# Altium PCB sombreakout.PcbDoc (part 3 of 3) (continued)
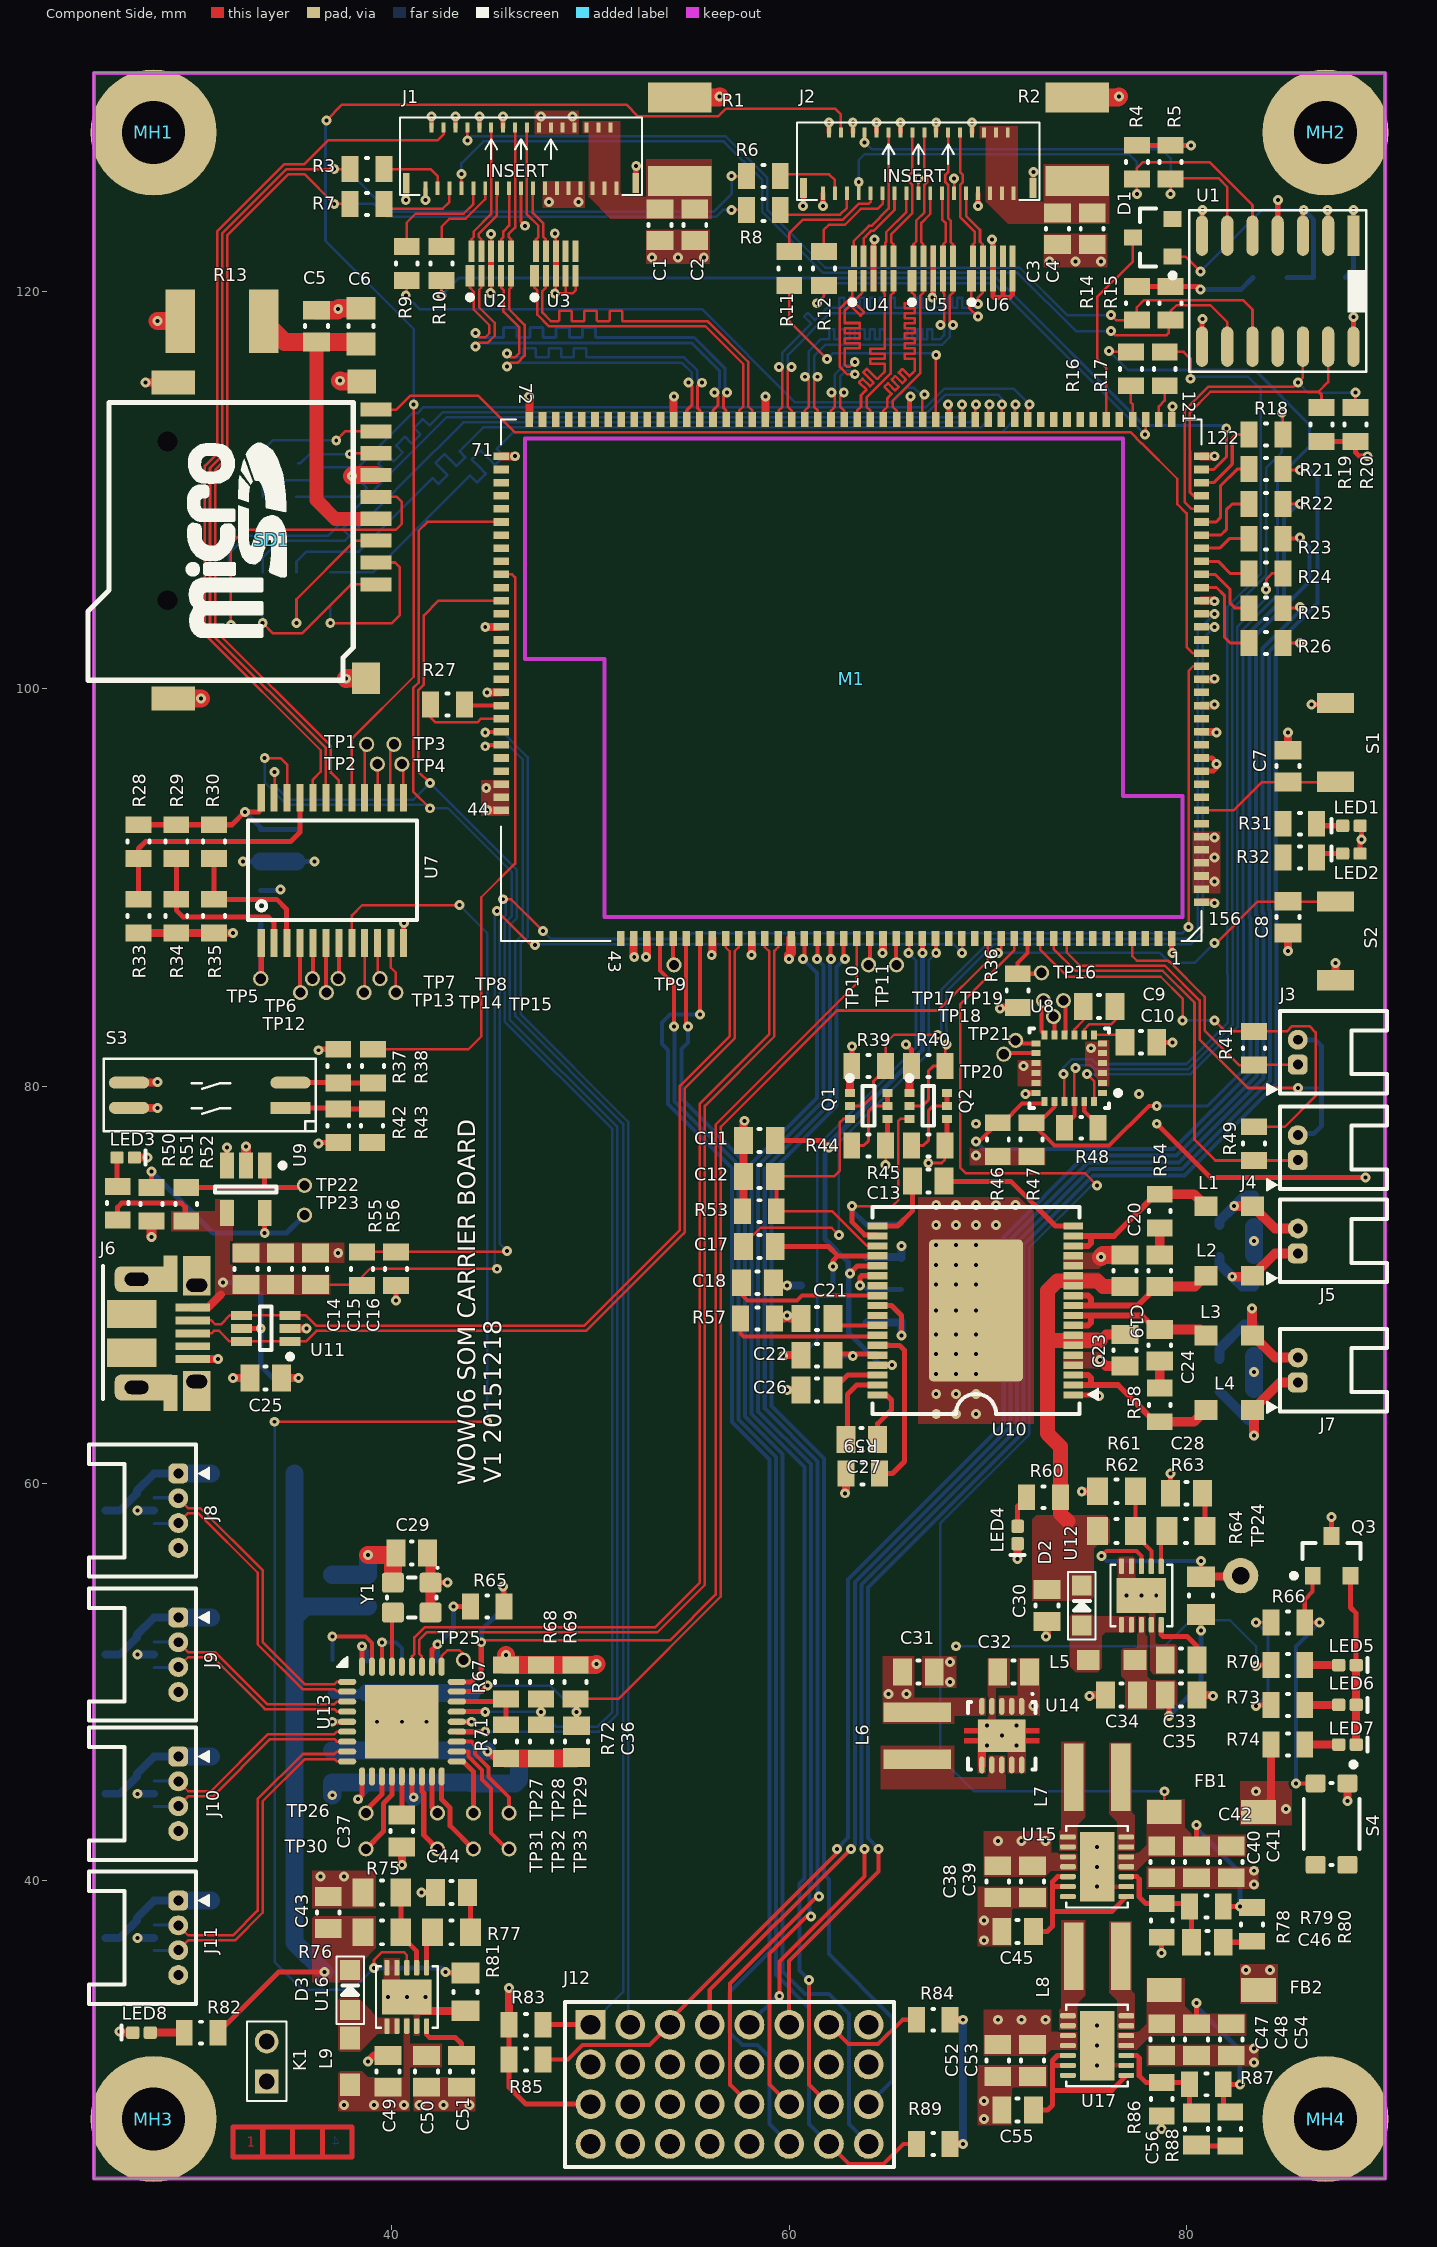
[diagram p0: Component Side view]
## Nets (pads, with @x,y where several pads share a name; then routed paths per layer and width w, separated by ;. In a path a pad name is that pad's centre, name@x,y a point inside that pad or via, vN(x,y) a via of type N, cw(c..) or ccw(c..) an arc to the next point about the centre after c; other vN are vias at no path point) (continued)
SDC2_CLK: M1.105 R96.2 | length 41.9
  Component Side w0.127: v1(68.7,114.3) 68.7,113.553 M1.105@68.703,113.55
  Solder Side w0.127: R96.2@31.8,105.85 31.8,106.8 32.708,107.708 36.8,107.708 42.754,113.662 68.462,113.662 68.7,113.9 v1(68.7,114.3)
SDC2_CMD: M1.107 R94.2 | length 42.4
  Component Side w0.127: M1.107@70.023,113.55 70.023,114.25 v1(70.073,114.3)
  Solder Side w0.127: R94.2@35.2,105.85 35.2,106.4 35.7,106.9 38.346,106.9 41.923,110.477 42.029,110.583 cw(c42.051,110.561) 42.074,110.583 42.332,110.325 ccw(c42.355,110.347) 42.377,110.325 42.781,110.729 ccw(c42.759,110.751) 42.781,110.774 42.5,111.054 42.22,111.335 cw(c42.242,111.358) 42.22,111.38 42.624,111.784 cw(c42.646,111.762) 42.669,111.784 42.949,111.503 43.23,111.223 ccw(c43.253,111.245) 43.275,111.223 43.679,111.627 ccw(c43.657,111.649) 43.679,111.672 43.421,111.93 cw(c43.443,111.952) 43.421,111.975 43.623,112.177 44.6,113.154 69.654,113.154 70.073,113.573 v1(70.073,114.3)
SDC2_D0: M1.108 R91.2 | length 42.4
  Component Side w0.127: M1.108@70.683,113.55 70.7,113.567 v1(70.7,114.3)
  Solder Side w0.127: R91.2@35.2,109.65 38.3,109.65 38.727,110.077 ccw(c38.704,110.099) 38.727,110.122 38.436,110.413 cw(c38.458,110.435) 38.436,110.458 38.84,110.862 cw(c38.862,110.839) 38.885,110.862 39.176,110.571 ccw(c39.198,110.593) 39.221,110.571 39.625,110.975 ccw(c39.603,110.997) 39.625,111.02 39.334,111.311 cw(c39.356,111.333) 39.334,111.356 39.738,111.76 cw(c39.76,111.737) 39.783,111.76 40.074,111.469 ccw(c40.096,111.491) 40.119,111.469 40.523,111.873 ccw(c40.501,111.895) 40.523,111.918 40.232,112.209 cw(c40.254,112.231) 40.232,112.254 40.636,112.658 cw(c40.658,112.636) 40.681,112.658 40.972,112.367 ccw(c40.994,112.389) 41.017,112.367 41.421,112.771 ccw(c41.399,112.793) 41.421,112.816 41.13,113.107 cw(c41.152,113.129) 41.13,113.152 41.534,113.556 cw(c41.557,113.534) 41.579,113.556 41.87,113.265 ccw(c41.892,113.287) 41.915,113.265 42.341,113.691 42.566,113.916 66.993,113.916 67.877,114.8 70.5,114.8 70.7,114.6 v1(70.7,114.3)
SDC2_D1: M1.110 R92.2 | length 42.4
  Component Side w0.127: M1.110@72.003,113.55 72.003,114.297 72.006,114.3 v1(72.1,114.3)
  Solder Side w0.127: R92.2@33.5,109.65 33.5,110.2 33.8,110.5 35.9,110.5 36.541,111.141 38.3,111.141 41.019,113.86 41.282,113.86 41.593,114.17 66.888,114.17 67.818,115.1 71.3,115.1 v1(72.1,114.3)
SDC2_D2: M1.106 R95.2 | length 41.9
  Component Side w0.127: M1.106@69.363,113.55 69.363,114.263 v1(69.4,114.3)
  Solder Side w0.127: R95.2@33.5,105.85 33.5,106.6 34.354,107.454 37.646,107.454 37.848,107.656 ccw(c37.826,107.679) 37.848,107.701 37.534,108.015 cw(c37.556,108.038) 37.534,108.06 37.938,108.464 cw(c37.96,108.442) 37.983,108.464 38.297,108.15 ccw(c38.32,108.172) 38.342,108.15 38.396,108.204 39.546,109.354 40.846,110.654 43.6,113.408 69.108,113.408 69.4,113.7 v1(69.4,114.3)
SDC2_D3: M1.109 R93.2 | length 42.1
  Component Side w0.127: M1.109@71.343,113.55 71.343,114.243 v1(71.4,114.3)
  Solder Side w0.127: R93.2@36.9,105.85 39.05,105.85 43.8,110.6 43.906,110.706 cw(c43.928,110.684) 43.951,110.706 44.265,110.392 ccw(c44.288,110.414) 44.31,110.392 44.714,110.796 ccw(c44.692,110.818) 44.714,110.841 44.377,111.177 44.041,111.514 cw(c44.063,111.537) 44.041,111.559 44.445,111.963 cw(c44.467,111.941) 44.49,111.963 44.826,111.626 45.163,111.29 ccw(c45.186,111.312) 45.208,111.29 45.612,111.694 ccw(c45.59,111.716) 45.612,111.739 45.298,112.053 cw(c45.32,112.075) 45.298,112.098 45.5,112.3 46.1,112.9 70.7,112.9 71.4,113.6 v1(71.4,114.3)
SOM_IMU_CS2#: R43.2
SOM_MIC1: J4.1 M1.10 R49.2 | length 21.3
  Component Side w0.127: M1.10@73.306,87.43 73.306,86.894 74.4,85.8 78.8,85.8 80.4,84.2 80.4,77.3 81.45,76.25 R49.2@83.4,76.25 85.573,76.25 J4.1@85.6,76.277
SOM_MIC1_BIAS: M1.11 R41.1 R49.1 | length 24
  Component Side w0.127: M1.11@72.646,87.43 72.646,86.854 74,85.5 78.7,85.5 79.8,84.4 v1(79.8,83.3) ; v1(81.4,83.3) 81.95,82.75 R41.1@83.4,82.75 85.046,82.75 85.314,83.018 86.182,83.018 86.5,82.7 86.5,79.5 84.95,77.95 R49.1@83.4,77.95
  Solder Side w0.127: v1(79.8,83.3) v1(81.4,83.3)
SOM_MIC2: J3.1 M1.4 R41.2 | length 12.5
  Component Side w0.127: M1.4@77.269,87.43 77.269,86.531 77.492,86.308 79.069,86.308 79.118,86.259 79.141,86.259 80.908,84.492 80.908,82.792 82.65,81.05 R41.2@83.4,81.05 83.427,81.077 J3.1@85.6,81.077
SOM_MIC_RTN: J3.2 J4.2 M1.9 | length 24.2
  Component Side w0.127: M1.9@73.967,87.43 73.967,86.733 74.646,86.054 78.905,86.054 80.654,84.305 80.654,82.346 83.1,79.9 v1(85.6,79.9)
  Solder Side w0.127: v1(85.6,79.9) 86.8,79.9
  Solder Side w0.254: J4.2@85.6,77.577 85.623,77.6 86.4,77.6 86.8,78 86.8,79.9 86.8,82 86.473,82.327 J3.2@85.6,82.327
SOM_ON#: C8.2 M1.14 S2.1 | length 19.3
  Component Side w0.127: v1(70.5,86.7) 70.665,86.865 M1.14@70.665,87.43 ; v1(81.4,87.2) 81.5,87.2 83.581,89.281 C8.2@85.119,89.281 ; C8.2@85.1,89.3 C8.2@85.119,89.281 ; S2.1@87.5,89.281 C8.2@85.119,89.281
  Solder Side w0.127: v1(70.5,86.7) 78.659,86.7 79.159,86.2 80.4,86.2 v1(81.4,87.2)
SOM_RST#: C7.2 M1.149 S1.1 | length 7.2
  Component Side w0.127: M1.149@80.75,93.87 82.37,93.87 83.8,95.3 C7.2@85.1,95.3 S1.1@87.4,95.3
USB_D1_N: J8.2 U13.1 U18.1 | length 15.7
  Component Side w0.127: J8.2@29.25,59.25 29.748,58.752 30.355,58.752 33.504,55.603 33.504,51.996 35.608,49.892 37.115,49.892 37.229,50.007 U13.1@37.75,50.007
  Solder Side w0.152: U18.1@28.025,59.275 J8.2@29.225,59.275
USB_D1_P: J8.3 U13.2 U18.3 | length 15.7
  Component Side w0.127: J8.3@29.25,58 29.748,58.498 30.25,58.498 33.25,55.498 33.25,51.891 35.502,49.638 37.115,49.638 37.229,49.524 U13.2@37.75,49.524
  Solder Side w0.152: U18.3@28.025,57.975 J8.3@29.225,57.975
USB_D2_N: J9.2 U13.3 U19.1 | length 11
  Component Side w0.127: J9.2@29.25,52 29.748,51.502 31.105,51.502 33.718,48.889 37.102,48.889 37.229,49.016 U13.3@37.75,49.016
  Solder Side w0.152: U19.1@28.025,52.025 J9.2@29.225,52.025
USB_D2_P: J9.3 U13.4 U19.3 | length 11
  Component Side w0.127: J9.3@29.25,50.75 29.748,51.248 31,51.248 33.613,48.635 37.102,48.635 37.229,48.508 U13.4@37.75,48.508
  Solder Side w0.152: U19.3@28.025,50.725 J9.3@29.225,50.725
USB_D3_N: J10.2 U13.6 U20.1 | length 11.1
  Component Side w0.127: J10.2@29.25,45 29.75,44.5 30.891,44.5 33.768,47.377 37.106,47.377 37.229,47.5 U13.6@37.75,47.5
  Solder Side w0.152: U20.1@28.025,45.025 J10.2@29.225,45.025
USB_D3_P: J10.3 U13.7 U20.3 | length 11.1
  Component Side w0.127: J10.3@29.25,43.75 29.746,44.246 30.996,44.246 33.873,47.123 37.106,47.123 37.229,47 U13.7@37.75,47
  Solder Side w0.152: U20.3@28.025,43.725 J10.3@29.225,43.725
USB_D4_N: J11.2 U13.8 U21.1 | length 17
  Component Side w0.127: J11.2@29.25,37.75 29.75,37.25 32,37.25 33.246,38.496 33.246,44.105 35.518,46.377 37.106,46.377 37.229,46.5 U13.8@37.75,46.5
  Solder Side w0.152: U21.1@28.025,37.775 J11.2@29.225,37.775
USB_D4_P: J11.3 U13.9 U21.3 | length 17
  Component Side w0.127: J11.3@29.25,36.5 29.746,36.996 32.105,36.996 33.5,38.391 33.5,44 35.623,46.123 37.106,46.123 37.229,46 U13.9@37.75,46
  Solder Side w0.152: U21.3@28.025,36.475 J11.3@29.225,36.475
USB_HOST_D_N: M1.31 U13.30 | length 51
  Component Side w0.127: U13.30@41.516,50.769 41.516,51.289 41.389,51.416 41.389,52.139 41.75,52.5 53.359,52.5 55.754,54.895 55.754,79.004 59.254,82.504 59.254,86.801 59.438,86.985 M1.31@59.438,87.43
USB_HOST_D_P: M1.32 U13.31 | length 51
  Component Side w0.127: U13.31@41.008,50.769 41.008,51.289 41.135,51.416 41.135,52.244 41.645,52.754 53.254,52.754 55.5,55 55.5,79.109 59,82.609 59,86.763 58.778,86.985 M1.32@58.778,87.43
USB_HOST_SW: M1.25 R65.2 U13.27 | length 56
  Component Side w0.127: v1(44.5,52) 44.6,52.1 54,52.1 56.3,54.4 56.3,78.05 63.4,85.15 M1.25@63.4,87.43
  Component Side w0.254: U13.27@43.269,50.007 44.007,50.007 44.5,50.5 v1(44.5,52) ; v1(45.6,54.8) 45.65,54.75 R65.2@45.65,53.8
  Solder Side w0.254: v1(44.5,52) 44.5,52.6 45.6,53.7 v1(45.6,54.8)
USB_HS_ID: M1.138 R55.2 R56.2 | length 74.6
  Component Side w0.127: R55.2@38.5,71.65 R56.2@40.2,71.65 45.75,71.65 v1(45.8,71.7) ; v1(45.6,89.4) 46,89.4 v1(47.6,87.8) ; v1(80.1,88) 80.1,100.9 80.33,101.13 M1.138@80.75,101.13
  Solder Side w0.127: v1(45.6,89.4) 45.741,89.259 45.741,88.618 45.421,88.298 45.421,72.079 v1(45.8,71.7) ; v1(47.6,87.8) 48,87.4 54.8,87.4 55.1,87.7 79.8,87.7 v1(80.1,88)
USB_HUB_RST#: C36.2 M1.15 R69.1 U13.26 | length 58.5
  Component Side w0.127: R69.1@49.25,49.15 51.409,49.15 56.554,54.295 56.554,77.945 62.409,83.8 67.5,83.8 70.004,86.304 M1.15@70.004,87.43
  Component Side w0.254: U13.26@43.269,49.524 44.516,49.524 v1(44.811,49.819) ; C36.2@49.3,47.8 v1(49.3,48.5)
  Solder Side w0.127: v1(44.811,49.819) 44.82,49.809 47.991,49.809 v1(49.3,48.5)
USB_OTG_D_N: J6.2 M1.35 U11.3 U11.4 | length 42.8
  Component Side w0.127: J6.2@29.975,68.2 30.913,68.2 31.111,68.002 31.388,68.002 31.836,68.45 U11.4@32.425,68.45 U11.3@34.875,68.45 35.673,68.45 36.196,67.927 49.677,67.927 54.5,72.75 54.5,80 57,82.5 57,86.782 56.796,86.985 M1.35@56.796,87.43
USB_OTG_D_P: J6.3 M1.34 U11.1 U11.6 | length 43.2
  Component Side w0.127: J6.3@29.975,67.55 30.913,67.55 31.037,67.674 31.313,67.674 31.836,67.15 U11.6@32.425,67.15 U11.1@34.875,67.15 35.673,67.15 36.196,67.673 49.782,67.673 54.68,72.57 54.754,72.645 54.754,79.895 57.254,82.395 57.254,86.783 57.457,86.985 M1.34@57.457,87.43
USBH_5V: C14.1 C15.2 C16.1 C25.1 J6.1 M1.17 R50.1 R52.1 R55.1 U9.4 U11.5 | length 69.3
  Component Side w0.127: C16.1@36.15,70 R55.1@38.5,70 ; R55.1@38.5,69.95 R55.1@38.5,70 ; v1(45.3,70.8) 38.9,70.8 38.5,70.4 R55.1@38.5,70 ; v1(45.3,88.8) 47,87.1 v1(47.2,87.1) ; M1.17@68.684,87.43 68.7,87.414 v1(68.7,86.7)
  Component Side w0.254: R50.1@26.2,73.25 26.2,73.9 26.4,74.1 29.4,74.1 29.6,73.9 29.6,73.25 R52.1@29.65,73.2 ; U11.5@32.425,67.8 v1(33.4,67.8)
  Component Side w0.4: J6.1@29.975,68.85 30.75,68.85 31.4,69.5 ; C25.1@34.45,65.3 v1(35.3,65.3)
  Solder Side w0.127: v1(45.3,70.8) 45.167,70.933 45.167,88.667 v1(45.3,88.8) ; v1(47.2,87.1) 47.24,87.14 68.26,87.14 v1(68.7,86.7)
  Solder Side w0.254: v1(31.5,70.1) 32.8,70.1 33.4,69.5 v1(33.4,67.8) 33.4,65.9 34,65.3 v1(35.3,65.3)
VBAT_THERM: M1.22 TP11.1 | length 1.3
  Component Side w0.203: M1.22@65.382,87.43 65.382,86.118 TP11.1@65.4,86.1
VBATT: C32.2 C34.1 C35.2 C38.2 C39.2 C49.1 C50.2 C52.2 C53.2 J12.4 J12.8 J12.12 J12.16 J12.20 K1.1 L5.1 L9.1 R64.2 U9.3 U12.8 U14.1 U14.2 U14.3 U15.10 U15.11 U16.8 U17.10 U17.11 | length 7.8
  Component Side w0.254: U9.3@31.7,76 v1(31.7,76.9) ; C35.2@78.925,49.35 79.125,49.15 v1(79.125,48.3) ; v1(80.725,52.6) R64.2@80.725,53.4
  Solder Side w0.254: v1(79.125,48.3) 80.725,49.9 v1(80.725,52.6)
  other v1: 37.6,28.7 39.1,28.7 40.6,28.7 70.5,33 71.7,33 72.9,33 70.5,42 71.7,42 72.9,42 72.3,48.8
VBATT_ID: M1.24 TP10.1 | length 1.4
  Component Side w0.203: TP10.1@64,86.1 64.061,86.161 M1.24@64.061,87.43
VPH_PWR: FB1.2 M1.151 M1.152 M1.153 M1.154 M1.155 R1.2 R2.2 R74.1 | length 8.5
  Component Side w0.127: M1.151@80.75,92.55 81.35,92.55 v1(81.4,92.5)
  Component Side w0.4: FB1.2@83.625,43.45 84.25,44.075 R74.1@84.25,46.85
  Component Side w0.914: R1.2@54.5,129.75 56.45,129.75 v1(56.5,129.8) ; R2.2@74.5,129.75 76.55,129.75 v1(76.6,129.8)
  other v1: 85,43.6 83.5,44.5 81.4,90.3 81.4,91.5
VPH_RAW: C40.2 C41.2 C42.2 FB1.1 M1.13 R79.2 R80.2 U15.4 U15.5 | length 72.8
  Component Side w0.127: M1.13@71.325,87.43 71.325,86.825 68.6,84.1 68.6,75.9 68.9,75.6 74.9,75.6 v1(75.5,75) ; FB1.1@78.875,43.45 78.875,44.475 v1(78.9,44.5)
  Component Side w0.254: C41.2@80.5,41.75 v1(80.5,42.8) ; R79.2@81.85,38.7 v1(82.7,38.7) 82.75,38.65 R80.2@83.3,38.65
  Solder Side w0.127: v1(75.5,75) 75.214,75 72.082,71.868 72.082,62.469 67.6,57.987 67.6,46.2 69.3,44.5 v1(78.9,44.5)
  Solder Side w0.254: v1(80.5,42.8) 80.5,42.6 82.7,40.4 v1(82.7,38.7)
VSPKR: C19.2 C23.2 C30.2 D2.K R60.1 R62.1 U10.6 U10.7 U10.12 U10.13 | length 20.3
  Component Side w0.5: 75.65,67.2 75.95,67.5 C23.2@76.9,67.5
  Component Side w0.75: 74.025,58.1 73.65,58.475 R60.1@73.65,59.3 73.65,61.85 73,62.5 73,67.2 ; 75.65,67.2 73,67.2 ; C19.2@76.9,69.9 75.8,69.9 75.5,70.2 73.5,70.2 73,69.7 73,67.2
pads on no net: D1.2 J6.0 J6.4 M1.2 M1.3 M1.5 M1.6 M1.7 M1.8 M1.16 M1.18 M1.43 M1.47 M1.48 M1.54 M1.55 M1.56 M1.57 M1.61 M1.63 M1.64 M1.65 M1.68 M1.69 M1.70 M1.136 M1.140 M1.142 M1.147 M1.148 M1.150 MH1.1 MH2.1 MH3.1 MH4.1 S4.2 S4.4 U1.11 U3.6 U3.7 U6.6 U6.7 U8.1 U10.25 U10.28 U13.11 U13.32 U15.14 U17.14 U18.4 U18.6 U19.4 U19.6 U20.4 U20.6 U21.4 U21.6
copper on no net: | length 39
  Component Side w0.254: 33.5,26.1 33.5,27.6 ; 33.5,26.1 32,26.1 32,27.6 33.5,27.6 ; 33.5,26.1 35,26.1 ; 33.5,27.6 35,27.6 ; 35,26.1 35,27.6 ; 35,26.1 36.5,26.1 ; 35,27.6 36.5,27.6 ; 36.5,26.1 36.5,27.6 ; 36.5,26.1 38,26.1 38,27.6 36.5,27.6
  Solder Side w0.254: 33.5,26.1 33.5,27.6 ; 33.5,26.1 32,26.1 32,27.6 33.5,27.6 ; 33.5,26.1 35,26.1 ; 33.5,27.6 35,27.6 ; 35,26.1 35,27.6 ; 35,26.1 36.5,26.1 ; 35,27.6 36.5,27.6 ; 36.5,26.1 36.5,27.6 ; 36.5,26.1 38,26.1 38,27.6 36.5,27.6

## Polygon pours and split planes (outlines as drawn)
VPH_PWR on Component Side "VPH_PWR_L01_P122" (solid, pour order 122): 82.7,42.8 85.3,42.8 85.3,45 82.7,45
VBATT on Component Side "VBATT_L01_P058" (solid, pour order 58): 42.5,31.8 40.8,31.8 40.8,30.6 42.5,30.6 42.5,31.8
VBATT on Component Side "VBATT_L01_P056" (solid, pour order 56): 40.9,33.1 40.6,33.1 40.6,30 40.9,30 40.9,33.1
GND on Component Side "GND_L01_P118" (solid, pour order 118): 47.6,125.535 49.7,125.535 49.7,124.2 47.6,124.2
GND on Component Side "GND_L01_P114" (solid, pour order 114): 49.4,127.9 47.2,127.9 47.2,129.1 49.4,129.1
GND on Component Side "GND_L01_P112" (solid, pour order 112): 72.8,122.9 76,122.9 76,121.2 72.8,121.2
GND on Component Side "GND_L01_P110" (solid, pour order 110): 52.8,123.1 56,123.1 56,121.4 52.8,121.4
NetC1_2 on Component Side "NETC1_2_L01_P108" (solid, pour order 108): 56.1,123.65 52.8,123.65 51,123.65 49.9,124.75 49.9,127.95 49.6,127.95 49.6,128.55 49.9,128.55 51.5,128.55 51.5,125.55 51.5,124.95 51.7,124.75 52.8,124.75 52.8,126.65 56.1,126.65 56.1,124.75
NetC3_2 on Component Side "NETC3_2_L01_P106" (solid, pour order 106): 76.1,123.4 72.8,123.4 71,123.4 69.9,124.5 69.9,127.7 69.6,127.7 69.6,128.3 69.9,128.3 71.5,128.3 71.5,125.3 71.5,124.7 71.7,124.5 72.8,124.5 72.8,126.4 76.1,126.4 76.1,124.5
+1.8V on Component Side "+1.8V_L01_P094" (solid, pour order 94): 72.9,76 72.9,76.9 69.1,76.9 69.1,76
+3V3 on Component Side "+3V3_L01_P092" (solid, pour order 92): 72.7,80 72.7,81.3 71.5,81.3 71.5,80 72.2,80
VBATT on Component Side "VBATT_L01_P080" (solid, pour order 80): 73.2,33.5 73.2,32.4 74.5,32.4 74.5,31.5 73.2,31.5 72.9,31.2 69.8,31.2 69.8,33.5
NetL6_1 on Component Side "NETL6_1_L01_P078" (solid, pour order 78): 70.9,46.3 70.9,44.6 64.6,44.6 64.6,46.8 68.3,46.8 68.3,45.2 70,45.2 70,46.3
GND on Component Side "GND_L01_P074" (solid, pour order 74): 66.7,51.3 66.7,49.7 68.4,49.7 68.4,51.3 66.7,51.3
VBATT on Component Side "VBATT_L01_P072" (solid, pour order 72): 71.9,48.3 70.5,48.3 70.5,49.3 71.5,49.3 71.5,51.2 72.6,51.2 72.6,48.3
GND on Component Side "GND_L01_P070" (solid, pour order 70): 71.1,51.2 70,51.2 70,48.1 69.5,48.1 69.5,45.4 69.9,45.4 69.9,46.5 71,46.5 71,45.4 71.9,45.4 71.9,48.1 70.4,48.1 70.4,49.7 71.1,49.7
+1.8V on Component Side "+1.8V_L01_P068" (solid, pour order 68): 64.7,47.9 64.7,51.3 66.3,51.3 66.3,49.2 69.9,49.2 69.9,48.3 68.3,48.3 68.3,47.9
VSPKR on Component Side "VSPKR_L01_P038" (solid, pour order 38): 73.8,66.8 75.6,66.8 75.9,67.1 75.9,67.3 75.7,67.5 75.6,67.6 73.8,67.6 73.8,66.8
GND on Component Side "GND_L01_P036" (solid, pour order 36): 73.8,65.8 75.6,65.8 75.9,66.1 75.9,66.3 75.7,66.5 75.6,66.6 73.8,66.6 73.8,65.8
USBH_5V on Component Side "USBH_5V_L01_P030" (solid, pour order 30): 36.9,69.5 36.9,70.5 32.2,70.5 32,70.5 32,70.7 32,74.3 31.1,74.3 31.1,73.7 28.9,73.7 28.9,72.7 31.1,72.7 31.1,69.5
VBATT on Component Side "VBATT_L01_P026" (solid, pour order 26): 73.2,42.5 73.2,41.4 74.5,41.4 74.5,40.5 73.2,40.5 72.9,40.2 69.8,40.2 69.8,42.5
GND on Component Side "GND_L01_P024" (solid, pour order 24): 73,39.7 73,38.6 71.3,38.6 71.2,38.5 71.2,36.7 69.5,36.7 69.5,39.7 71.3,39.7
GND on Component Side "GND_L01_P022" (solid, pour order 22): 73,30.7 73,29.6 71.3,29.6 71.2,29.5 71.2,27.7 69.5,27.7 69.5,30.7 71.3,30.7
GND on Component Side "GND_L01_P018" (solid, pour order 18): 78,30.65 83.6,30.65 83.6,31.75 78,31.75
GND on Component Side "GND_L01_P016" (solid, pour order 16): 77.3,30.8 75.3,30.8 75.3,30.6 77.3,30.6 77.3,30.8
NetC47_2 on Component Side "NETC47_2_L01_P014" (solid, pour order 14): 76.5,31.5 77.5,31.5 78.2,32.2 83,32.2 83,33.3 80.3,33.3 79.9,33.7 79.9,35.1 78,35.1 78,32.8 77.6,32.4 76.5,32.4
NetL8_1 on Component Side "NETL8_1_L01_P012" (solid, pour order 12): 74.5,32.5 74.5,33.8 74.9,34.2 74.9,38 73.7,38 73.7,33.6 73.6,33.5 73.6,32.5 74.5,32.5
NetL8_2 on Component Side "NETL8_2_L01_P010" (solid, pour order 10): 76.5,32.5 77.4,32.5 77.4,34.3 77.25,34.45 77.25,37.95 76.1,37.95 76.1,34.35 76.5,33.95
VPH_RAW on Component Side "VPH_RAW_L01_P002" (solid, pour order 2): 76.5,40.5 77.5,40.5 78.2,41.2 83,41.2 83,42.3 80.3,42.3 79.9,42.7 79.9,44.1 78,44.1 78,41.8 77.6,41.4 76.5,41.4
NetL7_2 on Component Side "NETL7_2_L01_P000" (solid, pour order 0): 76.5,41.5 77.4,41.5 77.4,43.3 77.25,43.45 77.25,46.95 76.1,46.95 76.1,43.35 76.5,42.95
NetL7_1 on Component Side "NETL7_1_L01_P008" (solid, pour order 8): 74.5,41.5 74.5,42.8 74.9,43.2 74.9,47 73.7,47 73.7,42.6 73.6,42.5 73.6,41.5 74.5,41.5
GND on Component Side "GND_L01_P006" (solid, pour order 6): 78,39.6 83.6,39.6 83.6,40.7 78,40.7
GND on Component Side "GND_L01_P004" (solid, pour order 4): 77.3,39.8 75.3,39.8 75.3,39.6 77.3,39.6 77.3,39.8
VSPKR on Component Side "VSPKR_L01_P044" (solid, pour order 44): 72.225,54.1 75.125,54.1 75.325,54.3 75.325,56.7 75.525,56.9 76.025,56.9 76.125,57 76.125,58.2 75.925,58.4 72.425,58.4 72.225,58.2 72.225,54.2
NetD2_A on Component Side "NETD2_A_L01_P046" (solid, pour order 46): 77.425,53.3 75.325,53.3 75.225,53.4 74.225,53.4 74.125,53.3 74.125,50.8 74.425,50.5 75.525,50.5 75.725,50.7 75.725,52.3 75.925,52.5 77.425,52.5
VBATT on Component Side "VBATT_L01_P048" (solid, pour order 48): 77.925,53.3 77.525,53.3 77.525,51.8 77.425,51.7 76.825,51.7 76.725,51.6 76.725,50.3 76.925,50.1 76.925,48.7 77.025,48.6 79.425,48.6 79.525,48.7 79.525,50 79.425,50.1 78.225,50.1 78.025,50.3 78.025,52.3 77.925,52.4 77.925,53.3
GND on Component Side "GND_L01_P050" (solid, pour order 50): 76.625,56.3 76.525,56.2 76.525,53.6 76.625,53.5 78.025,53.5 78.125,53.4 78.125,52.5 78.125,52.4 78.125,50.6 78.325,50.4 79.425,50.4 79.525,50.5 79.525,51.8 79.425,51.9 78.525,51.9 78.425,52 78.425,53.4 78.525,53.5 78.825,53.5 78.925,53.6 78.925,55.1 78.825,55.2 77.525,55.2 77.425,55.3 77.425,56.2 77.325,56.3
NetD3_A on Component Side "NETD3_A_L01_P052" (solid, pour order 52): 40.4,33.1 39.3,33.1 38.7,33.7 38.3,34.1 37.5,34.1 37.4,34.1 37.3,34 37.3,31.5 37.4,31.4 38.4,31.4 38.5,31.5 39.3,32.3 40.4,32.3 40.4,33.1
VBATT on Component Side "VBATT_L01_P054" (solid, pour order 54): 40.9,30.1 38.8,30.1 38.5,30.4 37.4,30.4 37.3,30.3 37.3,28.4 40.9,28.4
GND on Component Side "GND_L01_P060" (solid, pour order 60): 40.4,36.1 39.6,36.1 39.6,33.3 41.1,33.3 41.1,32.2 41.4,32.2 41.4,33.3 42,33.3 42,35 40.4,35
GND on Component Side "GND_L01_P062" (solid, pour order 62): 44.2,30.1 41.1,30.1 41.1,28.4 44.2,28.4
+5USB on Component Side "+5USB_L01_P064" (solid, pour order 64): 38.5,34.9 38.5,35.9 39.2,36.6 39.2,38.2 36.1,38.2 36,38.1 36,34.9
GND on Component Side "GND_L01_P066" (solid, pour order 66): 39.2,40.5 39.2,38.6 36,38.6 36,40.5
GND on Component Side "GND_L01_P096" (solid, pour order 96): 45,95.4 44.5,95.4 44.5,93.6 45.9,93.6 45.9,95.4
GND on Component Side "GND_L01_P098" (solid, pour order 98): 31.85,71.1 31.848,72.1 37.598,72.1 37.6,71.1
VPH_PWR on Component Side "VPH_PWR_L01_P100" (solid, pour order 100): 80.3,89.7 80.3,92.8 81.7,92.8 81.7,89.7
GND on Component Side "GND_L01_P102" (solid, pour order 102): 74.9,82.3 74.9,80 76.1,80 76.1,82.3
+3V3 on Component Side "+3V3_L01_P120" (solid, pour order 120): 82.7,35.8 82.7,33.8 84.6,33.8 84.6,35.8
VSPKR on Component Side "VSPKR_L01_P124" (solid, pour order 124): 73.8,69.8 75.6,69.8 75.9,70.1 75.9,70.3 75.7,70.5 75.6,70.6 73.8,70.6 73.8,69.8
GND on Component Side "GND_L01_P126" (solid, pour order 126): 73.8,70.8 75.6,70.8 75.9,71.1 75.9,71.3 75.7,71.5 75.6,71.6 73.8,71.6 73.8,70.8
GND on Component Side "GND_L01_P130" (solid, pour order 130): 66.5,74.4 66.5,63 72.3,63 72.3,74.4
+3V3 on Solder Side "+3V3_L04_P088" (solid, pour order 88): 74.1,78.6 74.1,77.6 79,77.6 79,78.6
+1.8V on Solder Side "+1.8V_L04_P086" (solid, pour order 86): 73.9,80.2 70.3,80.2 70.3,79.2 73.9,79.2
GND on Solder Side "GND_L04_P084" (solid, pour order 84): 73.9,78.6 69.1,78.6 69.1,77.6 73.9,77.6
GND on Solder Side "GND_L04_P034" (solid, pour order 34): 38.75,49.75 38.75,46.25 42.25,46.25 42.25,49.75 38.75,49.75
GND on Solder Side "GND_L04_P104" (solid, pour order 104): 74.1,80.2 77.9,80.2 77.9,79.1 74.1,79.1
GND on Ground Plane (split plane): 89.49,130 89.49,25.51 25.51,25.51 25.51,130.49 89.49,130.49
+2V85 on Power Plane (split plane): 30.198,116 30.206,115.961 30.228,115.928 32.328,113.828 32.361,113.806 32.4,113.798 80.898,113.798 80.898,96.7 80.906,96.661 80.928,96.628 80.961,96.606 81,96.598 81.898,96.598 81.898,95.802 80.302,95.802 80.302,103.1 80.302,113 80.294,113.039 80.272,113.072 80.239,113.094 80.2,113.102 30.442,113.102 27.702,115.842 27.702,120.098 30.198,120.098
NetC76_2 on Power Plane (split plane): 44.298,43.802 36.702,43.802 36.702,48.3 36.702,52.398 44.298,52.398
VBATT on Power Plane (split plane): 36.198,76.458 36.198,63.042 34.828,61.672 34.806,61.639 34.798,61.6 34.798,32.6 34.806,32.561 34.828,32.528 34.861,32.506 34.9,32.498 69,32.498 69.039,32.506 69.072,32.528 69.094,32.561 69.102,32.6 69.102,54.958 70.642,56.498 81.798,56.498 81.798,51.942 81.058,51.202 79.8,51.202 78.7,51.202 78.661,51.194 78.628,51.172 78.606,51.139 78.598,51.1 78.598,36.5 78.598,36.483 78.598,30.002 51,30.002 50.961,29.994 50.928,29.972 50.906,29.939 50.898,29.9 50.898,27.7 50.906,27.661 50.928,27.628 50.961,27.606 51,27.598 58.998,27.598 58.998,25.51 25.612,25.51 25.612,77.198 35.458,77.198
VPH_PWR on Power Plane (split plane): 83.498,118.4 83.506,118.361 83.528,118.328 83.561,118.306 83.6,118.298 88.398,118.298 88.398,43.7 88.398,43.102 82.802,43.102 82.802,44.898 86.4,44.898 86.439,44.906 86.472,44.928 86.494,44.961 86.502,45 86.502,89.6 86.494,89.639 86.472,89.672 86.439,89.694 86.4,89.702 80.702,89.702 80.702,92.898 86.7,92.898 86.739,92.906 86.772,92.928 86.794,92.961 86.802,93 86.802,116.7 86.794,116.739 86.772,116.772 86.739,116.794 86.7,116.802 81.902,116.802 81.902,129 81.894,129.039 81.872,129.072 81.839,129.094 81.8,129.102 25.51,129.102 25.51,130.49 83.498,130.49
+1.8V on Power Plane (split plane): 70.898,81.2 70.906,81.161 70.928,81.128 71.828,80.228 73.598,78.458 73.598,76.042 70.528,72.972 70.506,72.939 70.498,72.9 70.498,56.642 68.928,55.072 68.906,55.039 68.898,55 68.898,32.702 35.002,32.702 35.002,61.558 36.372,62.928 36.394,62.961 36.402,63 36.402,76.5 36.394,76.539 36.372,76.572 35.572,77.372 35.539,77.394 35.5,77.402 25.51,77.402 25.51,83.398 36.958,83.398 37.998,82.358 37.998,52.602 36.6,52.602 36.561,52.594 36.528,52.572 36.506,52.539 36.498,52.5 36.498,48.3 36.498,43.7 36.498,35 36.506,34.961 36.528,34.928 36.561,34.906 36.6,34.898 64.6,34.898 64.639,34.906 64.672,34.928 64.694,34.961 64.702,35 64.702,53.058 66.972,55.328 69.072,57.428 69.094,57.461 69.102,57.5 69.102,80.258 70.072,81.228 70.094,81.261 70.102,81.3 70.102,84.398 70.898,84.398
+3V3 on Power Plane (split plane): 89.49,130 89.49,25.51 59.202,25.51 59.202,27.7 59.194,27.739 59.172,27.772 59.139,27.794 59.1,27.802 51.102,27.802 51.102,29.798 78.7,29.798 78.739,29.806 78.772,29.828 78.794,29.861 78.802,29.9 78.802,36.5 78.802,50.998 79.8,50.998 81.1,50.998 81.139,51.006 81.172,51.028 81.972,51.828 81.994,51.861 82.002,51.9 82.002,56.6 81.994,56.639 81.972,56.672 81.939,56.694 81.9,56.702 70.702,56.702 70.702,72.858 73.772,75.928 73.794,75.961 73.802,76 73.802,78.5 73.794,78.539 73.772,78.572 71.972,80.372 71.102,81.242 71.102,84.5 71.094,84.539 71.072,84.572 71.039,84.594 71,84.602 70,84.602 69.961,84.594 69.928,84.572 69.906,84.539 69.898,84.5 69.898,81.342 68.928,80.372 68.906,80.339 68.898,80.3 68.898,57.542 66.828,55.472 64.528,53.172 64.506,53.139 64.498,53.1 64.498,35.102 36.702,35.102 36.702,43.598 44.4,43.598 44.439,43.606 44.472,43.628 44.494,43.661 44.502,43.7 44.502,52.5 44.494,52.539 44.472,52.572 44.439,52.594 44.4,52.602 38.202,52.602 38.202,82.4 38.194,82.439 38.172,82.472 37.072,83.572 37.039,83.594 37,83.602 25.51,83.602 25.51,128.898 81.698,128.898 81.698,116.7 81.706,116.661 81.728,116.628 81.761,116.606 81.8,116.598 86.598,116.598 86.598,93.102 80.6,93.102 80.561,93.094 80.528,93.072 80.506,93.039 80.498,93 80.498,89.6 80.506,89.561 80.528,89.528 80.561,89.506 80.6,89.498 86.298,89.498 86.298,45.102 82.7,45.102 82.661,45.094 82.628,45.072 82.606,45.039 82.598,45 82.598,43 82.606,42.961 82.628,42.928 82.661,42.906 82.7,42.898 88.5,42.898 88.539,42.906 88.572,42.928 88.594,42.961 88.602,43 88.602,118.4 88.594,118.439 88.572,118.472 88.539,118.494 88.5,118.502 83.702,118.502 83.702,130.49 89.49,130.49

## Keep-outs
Keep-Out Layer:
  lines w0.2: 25,25 90,25 90,131 25,131 25,25 ; 46.7,101.5 46.7,112.6 76.8,112.6 76.8,94.6 79.8,94.6 79.8,88.5 50.7,88.5 50.7,101.5 46.7,101.5

## Other copper
Component Side:
  text "1" at 32.7,26.6 h0.5
Solder Side:
  text "4" at 37.4,26.6 h0.5
Ground Plane (plane layer: these items are gaps in the copper):
  text "2" at 34.2,26.6 h0.5
Power Plane (plane layer: these items are gaps in the copper):
  lines w0.2: 25,83.5 37,83.5 38.1,82.4 38.1,52.5 ; 25,129 81.8,129 81.8,116.7 86.7,116.7 86.7,93 80.6,93 80.6,89.6 86.4,89.6 86.4,45 82.7,45 82.7,43 88.5,43 ; 64.975,25 67,25 71.025,25 ; 65.403,25 76,25 ; 78.7,36.483 78.7,51.1 79.8,51.1 81.1,51.1 81.9,51.9 81.9,56.6 70.6,56.6 ; 78.7,36.5 78.7,29.9 51,29.9 51,27.7 59.1,27.7 59.1,25 25.51,25 25.51,77.3 35.5,77.3 36.3,76.5 36.3,63 34.9,61.6 34.9,32.6 69,32.6 69,55 70.6,56.6 ; 82.5,131 83.6,131 83.6,118.4 88.5,118.4 88.5,43 ; 88.5,43.7 88.5,43 ; 36.6,43.7 36.6,35 64.6,35 64.6,53.1 66.9,55.4 69,57.5 69,80.3 70,81.3 70,84.5 71,84.5 71,81.2 71.9,80.3 73.7,78.5 73.7,76 70.6,72.9 70.6,56.6 ; 36.6,43.7 36.6,48.3 36.6,52.5 44.4,52.5 44.4,43.7 36.6,43.7 ; 27.6,115.8 30.4,113 48.6,113 80.2,113 80.2,103.1 80.2,95.7 82,95.7 82,96.7 81,96.7 81,113.9 77.9,113.9 32.4,113.9 30.3,116 30.3,120.2 27.6,120.2 27.6,115.8
  text "3" at 35.6,26.6 h0.5

## Silkscreen, mask and mechanical layers (free items; w line width, h text height)
Top Overlay:
  text "V1 20151218" at 45.8,60 h1.52 r90
  text "WOW06 SOM CARRIER BOARD" at 44.5,59.9 h1.52 r90
Top Solder:
  region: 31.8,27.8 38.2,27.8 38.2,25.9 31.8,25.9
Bottom Solder:
  region: 31.8,27.8 38.2,27.8 38.2,25.9 31.8,25.9
Mechanical 15:
  pour cut-out: 46.7,112.6 46.7,101.5 50.7,101.5 50.7,88.5 79.8,88.5 79.8,94.6 76.8,94.6 76.8,112.6

## Text inside footprints (layer, text, board x,y; h text height)
FB1: Mechanical 6 "Land Pattern Adapted for 35/70um Land Pad Thickness" at 78.95,44.55 h0.1
FB2: Mechanical 6 "Land Pattern Adapted for 35/70um Land Pad Thickness" at 78.95,35.6 h0.1
FB3: Mechanical 6 "Land Pattern Adapted for 35/70um Land Pad Thickness" at 45.3,50.8 h0.1 r90
J1: Top Overlay "INSERT" at 44.713,125.75 h0.65
J2: Top Overlay "INSERT" at 64.713,125.5 h0.65
M1: Top Overlay "156" at 81.1,88.1 h0.64; Top Overlay "122" at 81,112.3 h0.64; Top Overlay "121" at 79.8,115 h0.64 r270; Top Overlay "72" at 46.4,115.4 h0.64 r270; Top Overlay "71" at 44,111.7 h0.64; Top Overlay "44" at 43.8,93.6 h0.64; Top Overlay "43" at 50.9,86.8 h0.64 r270; Top Overlay "1" at 79.2,86.1 h0.64
U7: Mechanical 4 ">VALUE" at 33.19,90.85 h0.63